# Altium PCB SNES TST Main.PcbDoc (part 1 of 3) (continued)
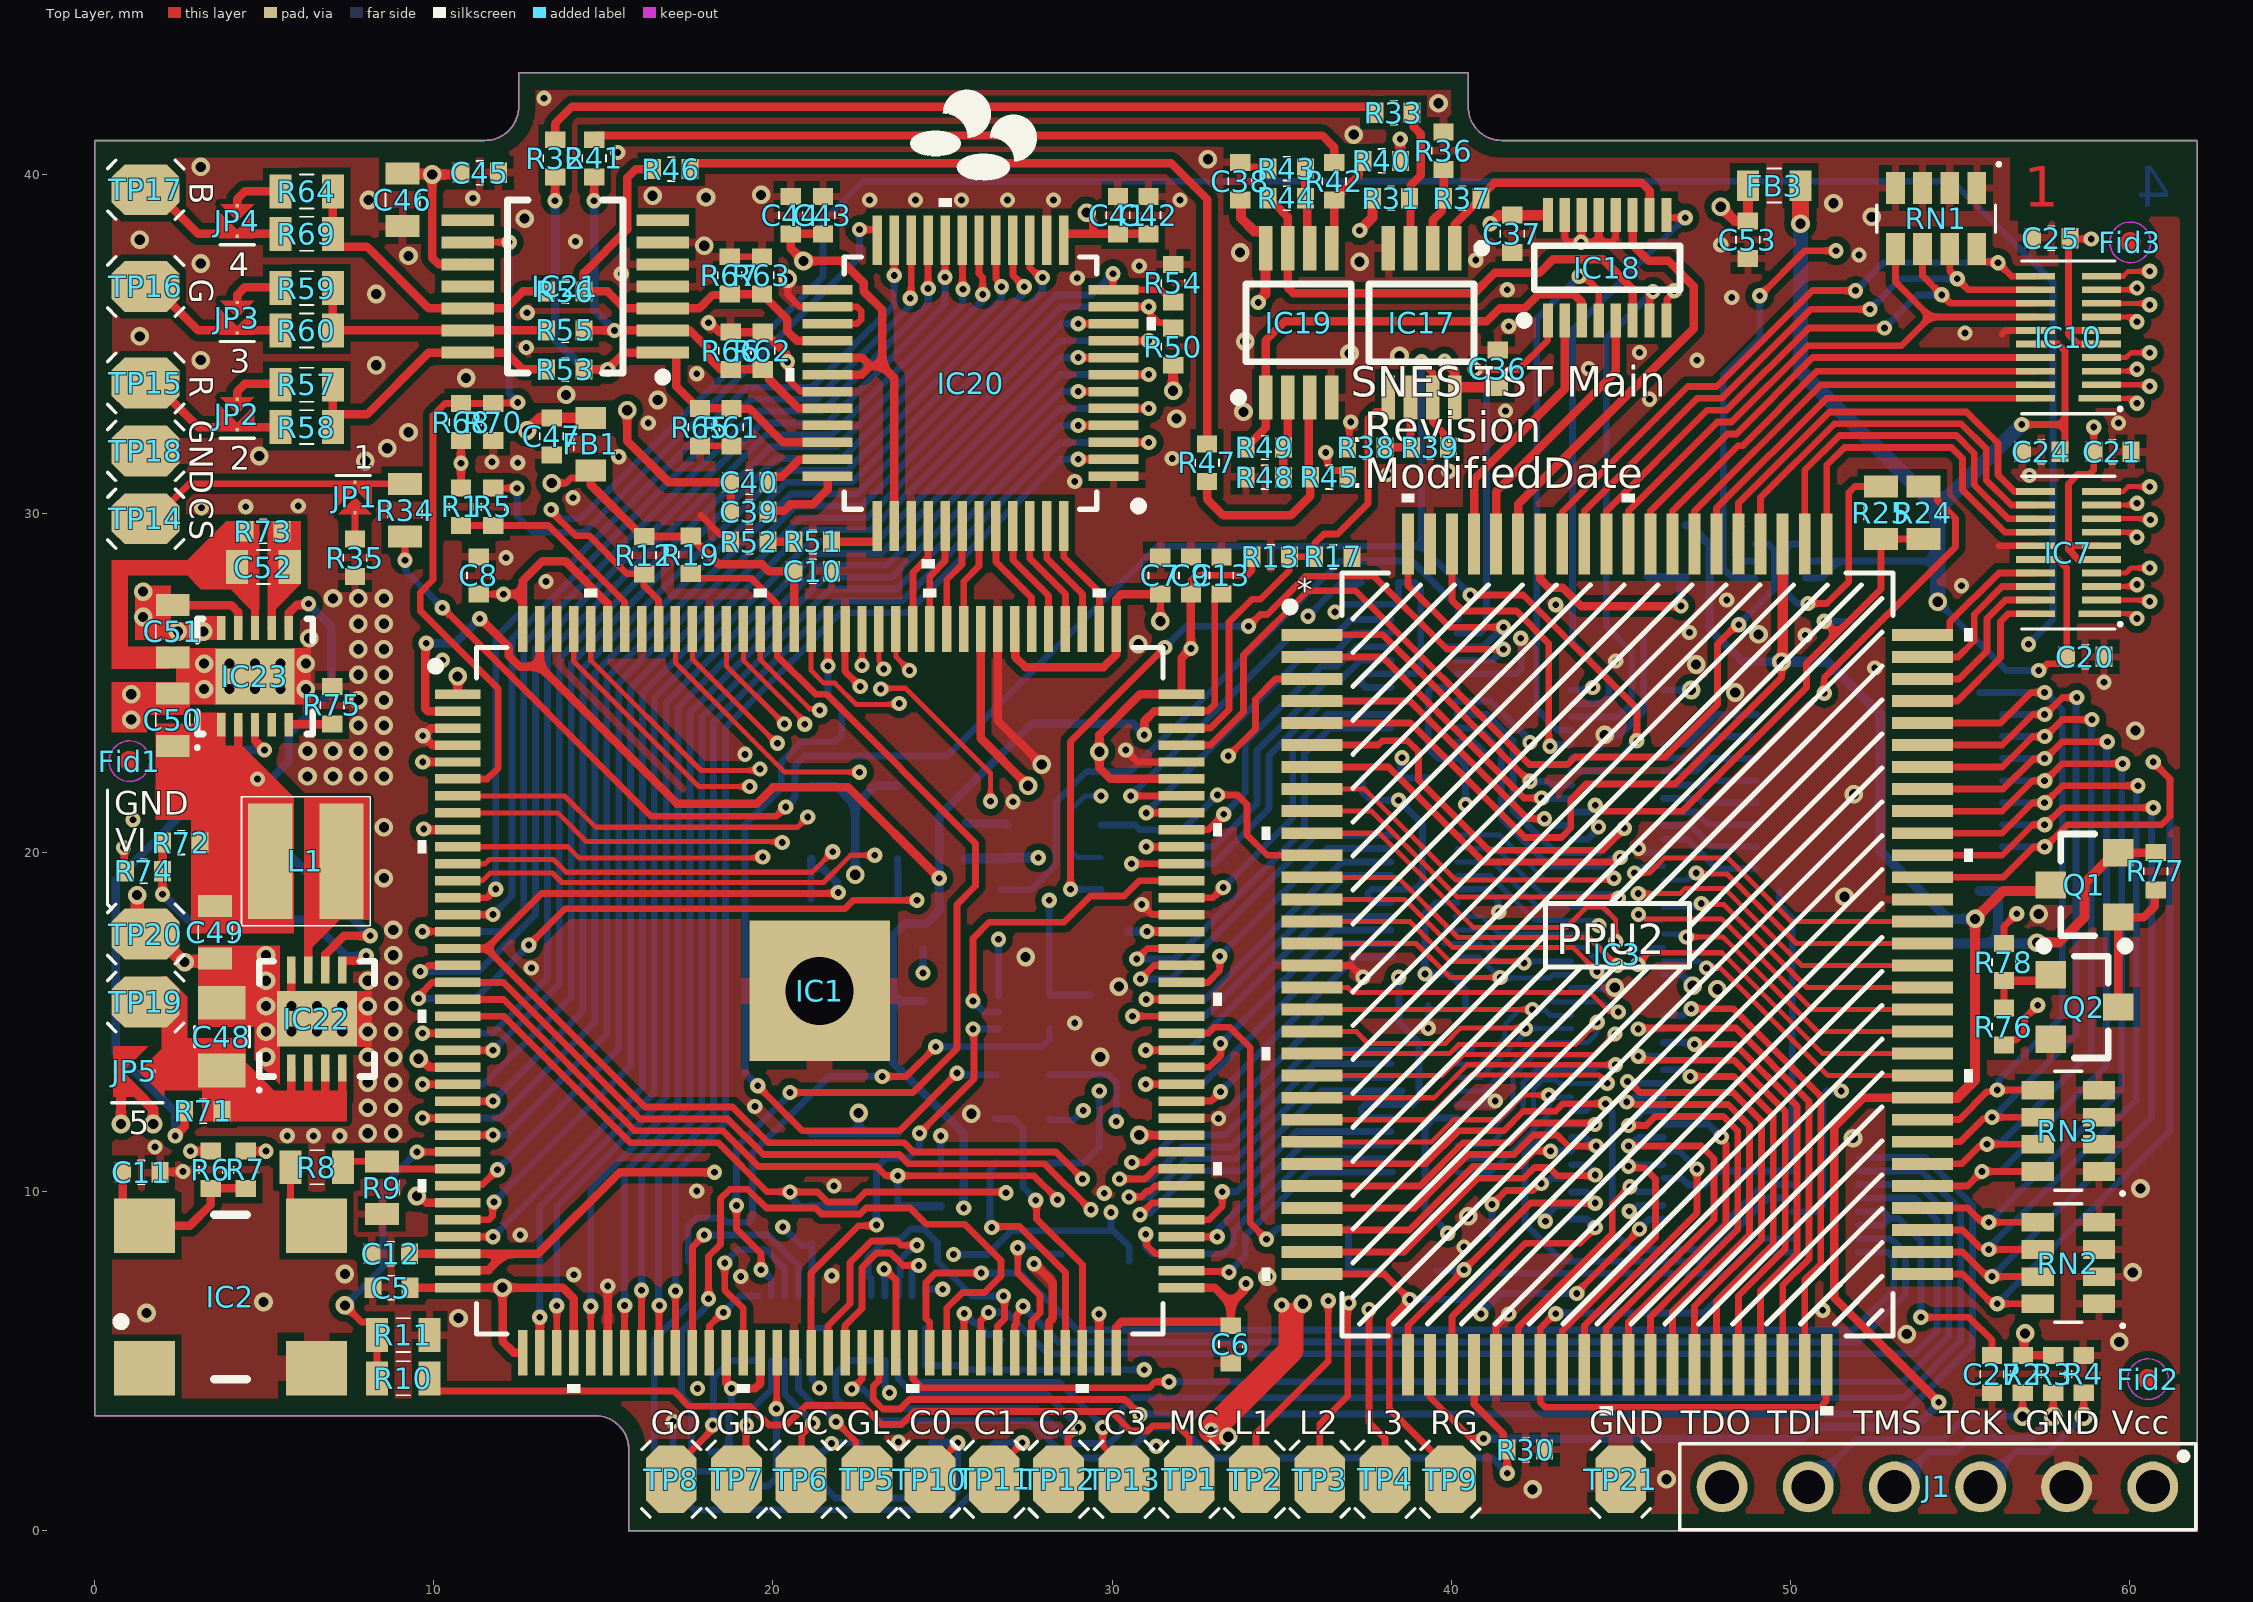
[diagram p0: Top Layer view]
## Components (designator, comment, footprint, x,y, rotation, side; value= is the part's Value field where it differs from the comment) (continued)
R37 "Resistor 604R 0402 ±1%" Res_0402_Chip 40.325,39.3 r0 top value=604R
R38 "Resistor 1.18k 0402 ±1%" Res_0402_Chip 37.5,31.95 r0 top value=1.18k
R39 "Resistor 604R 0402 ±1%" Res_0402_Chip 39.375,31.95 r180 top value=604R
R40 "Resistor 100k 0402 ±1%" Res_0402_Chip 37.95,40.4 r0 top value=100k
R41 "Resistor 0R 0402" Res_0402_Chip 14.725,40.475 r270 top value=0R
R42 "Resistor 1k 0402 ±1%" Res_0402_Chip 36.55,39.8 r90 top value=1k
R43 "Resistor 237R 0402 ±1%" Res_0402_Chip 35.15,40.175 r0 top value=237R
R44 "Resistor 604R 0402 ±1%" Res_0402_Chip 35.15,39.3 r0 top value=604R
R45 "Resistor 100k 0402 ±1%" Res_0402_Chip 36.4,31.075 r0 top value=100k
R46 "Resistor 0R 0402" Res_0402_Chip 17,40.16 r180 top value=0R
R47 "Resistor 1k 0402 ±1%" Res_0402_Chip 32.8,31.5 r90 top value=1k
R48 "Resistor 237R 0402 ±1%" Res_0402_Chip 34.5,31.075 r180 top value=237R
R49 "Resistor 604R 0402 ±1%" Res_0402_Chip 34.5,31.95 r180 top value=604R
R50 "Resistor 10k 0402 ±1%" Res_0402_Chip 31.8,34.925 r270 top value=10k
R51 "Resistor 470R 0402 ±1%" Res_0402_Chip 21.175,29.175 r180 top value=470R
R52 "Resistor 11R 0402 ±1%" Res_0402_Chip 19.3,29.175 r180 top value=11R
R53 "Resistor 0R 0402" Res_0402_Chip 13.875,34.25 r0 top value=0R
R54 "Resistor 10k 0402 ±1%" Res_0402_Chip 31.799,36.792 r270 top value=10k
R55 "Resistor 0R 0402" Res_0402_Chip 13.875,35.4 r0 top value=0R
R56 "Resistor 0R 0402" Res_0402_Chip 13.875,36.55 r0 top value=0R
R57 "Resistor 75R 0603 ±1%" Res_0603_Chip 6.25,33.8 r180 top value=75R
R58 "Resistor 75R 0603 ±1%" Res_0603_Chip 6.25,32.55 r180 top value=75R
R59 "Resistor 75R 0603 ±1%" Res_0603_Chip 6.25,36.65 r180 top value=75R
R60 "Resistor 75R 0603 ±1%" Res_0603_Chip 6.25,35.4 r180 top value=75R
R61 "Resistor 75R 0402 ±1%" Res_0402_Chip 18.775,32.55 r90 top value=75R
R62 "Resistor 75R 0402 ±1%" Res_0402_Chip 19.7,34.8 r270 top value=75R
R63 "Resistor 75R 0402 ±1%" Res_0402_Chip 19.675,37.025 r270 top value=75R
R64 "Resistor 75R 0603 ±1%" Res_0603_Chip 6.25,39.5 r180 top value=75R
R65 "Resistor 75R 0402 ±1%" Res_0402_Chip 17.85,32.55 r90 top value=75R
R66 "Resistor 75R 0402 ±1%" Res_0402_Chip 18.75,34.8 r270 top value=75R
R67 "Resistor 75R 0402 ±1%" Res_0402_Chip 18.725,37.025 r270 top value=75R
R68 "Resistor 10k 0402 ±1%" Res_0402_Chip 10.8,32.7 r90 top value=10k
R69 "Resistor 75R 0603 ±1%" Res_0603_Chip 6.25,38.25 r180 top value=75R
R70 "Resistor 10k 0402 ±1%" Res_0402_Chip 11.75,32.7 r270 top value=10k
R71 "Resistor 10k 0402 ±1%" Res_0402_Chip 3.2,12.375 r180 top value=10k
R72 "Resistor 249k 0402 ±1%" Res_0402_Chip 2.55,20.3 r180 top value=249k
R73 "Resistor 33.2k 0402 ±1%" Res_0402_Chip 4.975,29.475 r180 top value=33.2k
R74 "Resistor 66.5k 0402 ±1%" Res_0402_Chip 1.45,19.45 r180 top value=66.5k
R75 "Resistor 300R 0402 ±1%" Res_0402_Chip 7,24.35 r90 top value=300R
R76 "Resistor 33.2k 0402 ±1%" Res_0402_Chip 56.3,14.875 r270 top value=33.2k
R77 "Resistor 10k 0402 ±1%" Res_0402_Chip 60.775,19.45 r270 top value=10k
R78 "Resistor 1k 0402 ±1%" Res_0402_Chip 56.3,16.775 r270 top value=1k
RN1 "Resistor Network 51k 1206 ±1%" 1206_Array_Chip 54.3,38.7 r270 top value=51k
RN2 "Resistor Network 10k 1206 ±1%" 1206_Array_Chip 58.2,7.9 r180 top value=10k
RN3 "Resistor Network 10k 1206 ±1%" 1206_Array_Chip 58.2,11.8 r180 top value=10k
TP1 "Pin Connector" "Pin Connector Small" 32.275,1.525 r180 top
TP2 "Pin Connector" "Pin Connector Small" 34.2,1.525 r180 top
TP3 "Pin Connector" "Pin Connector Small" 36.125,1.525 r180 top
TP4 "Pin Connector" "Pin Connector Small" 38.05,1.525 r180 top
TP5 "Pin Connector" "Pin Connector Small" 22.775,1.525 r180 top
TP6 "Pin Connector" "Pin Connector Small" 20.825,1.525 r180 top
TP7 "Pin Connector" "Pin Connector Small" 18.925,1.525 r180 top
TP8 "Pin Connector" "Pin Connector Small" 17,1.525 r180 top
TP9 "Pin Connector" "Pin Connector Small" 39.975,1.525 r180 top
TP10 "Pin Connector" "Pin Connector Small" 24.625,1.525 r180 top
TP11 "Pin Connector" "Pin Connector Small" 26.525,1.525 r180 top
TP12 "Pin Connector" "Pin Connector Small" 28.425,1.525 r180 top
TP13 "Pin Connector" "Pin Connector Small" 30.35,1.525 r180 top
TP14 "Pin Connector" "Pin Connector Small" 1.5,29.85 r90 top
TP15 "Pin Connector" "Pin Connector Small" 1.5,33.85 r90 top
TP16 "Pin Connector" "Pin Connector Small" 1.5,36.7 r90 top
TP17 "Pin Connector" "Pin Connector Small" 1.5,39.55 r90 top
TP18 "Pin Connector" "Pin Connector Small" 1.5,31.85 r90 top
TP19 "Pin Connector" "Pin Connector Small" 1.5,15.6 r90 top
TP20 "Pin Connector" "Pin Connector Small" 1.5,17.6 r90 top
TP21 "Pin Connector" "Pin Connector Small" 45,1.525 r180 top

## Footprints (in the part's own frame and the unit in brackets; to place one, negate y for a bottom-side part, rotate by r counter-clockwise, add the part's x,y. Pads: shape width x height; smd on the part's side, far side on the other; paste and mask are expansions set on the pad)
1206_Array_Chip [mm] "Chip Array, Concave, 8-Leads, Pitch 0.80mm,  Body 3.20x1.60mm,  IPC Medium Density"
  rect 0.95x0.55 smd: 1(-0.9,1.2) 2(-0.9,0.4) 3(-0.9,-0.4) 4(-0.9,-1.2) 5(0.9,-1.2) 6(0.9,-0.4) 7(0.9,0.4) 8(0.9,1.2)
  silkscreen extent -1.65,-1.75 0.4,1.9, body extent -0.95,-1.7 0.95,1.7, height 0.6
Cap_0402_Chip [mm]
  rect 0.5x0.6 smd: 1(-0.55,0) 2(0.55,0)
  silkscreen extent -0.1,-0.35 0.1,0.35, body extent -0.52,-0.27 0.53,0.28, height 0.55
Cap_0603_Chip [mm]
  rect 0.65x1 smd: 1(-0.775,0) 2(0.775,0)
  silkscreen extent -0.2,-0.5 0.2,0.5, body extent -0.87,-0.48 0.87,0.48, height 0.95
Cap_0805_Chip [mm]
  rect 1x1.4 smd: 1(-1,0) 2(1,0)
  silkscreen extent -0.3,-0.8 0.3,0.8, body extent -1.1,-0.72 1.1,0.73, height 1.45
Con6P [mm]
  round 1.5 hole 1: 1(-6.35,0) 2(-3.81,0) 3(-1.27,0) 4(1.27,0) 5(3.81,0) 6(6.35,0)
  silkscreen extent -7.62,-1.27 7.6,1.27
DF40C-80DP [mm]
  rect 0.35x0.66 smd: 0(-8.275,-1.355) 0(-8.275,1.355) 0(8.275,-1.355) 0(8.275,1.355)
  rect 0.23x0.66 smd: 1(-7.8,-1.355) 2(-7.8,1.355) 3(-7.4,-1.355) 4(-7.4,1.355) 5(-7,-1.355) 6(-7,1.355) 7(-6.6,-1.355) 8(-6.6,1.355) 9(-6.2,-1.355) 10(-6.2,1.355) 11(-5.8,-1.355) 12(-5.8,1.355) 13(-5.4,-1.355) 14(-5.4,1.355) 15(-5,-1.355) 16(-5,1.355) 17(-4.6,-1.355) 18(-4.6,1.355) 19(-4.2,-1.355) 20(-4.2,1.355) 21(-3.8,-1.355) 22(-3.8,1.355) 23(-3.4,-1.355) 24(-3.4,1.355) 25(-3,-1.355) 26(-3,1.355) 27(-2.6,-1.355) 28(-2.6,1.355) 29(-2.2,-1.355) 30(-2.2,1.355) 31(-1.8,-1.355) 32(-1.8,1.355) 33(-1.4,-1.355) 34(-1.4,1.355) 35(-1,-1.355) 36(-1,1.355) 37(-0.6,-1.355) 38(-0.6,1.355) 39(-0.2,-1.355) 40(-0.2,1.355) 41(0.2,-1.355) 42(0.2,1.355) 43(0.6,-1.355) 44(0.6,1.355) 45(1,-1.355) 46(1,1.355) 47(1.4,-1.355) 48(1.4,1.355) 49(1.8,-1.355) 50(1.8,1.355) 51(2.2,-1.355) 52(2.2,1.355) 53(2.6,-1.355) 54(2.6,1.355) 55(3,-1.355) 56(3,1.355) 57(3.4,-1.355) 58(3.4,1.355) 59(3.8,-1.355) 60(3.8,1.355) 61(4.2,-1.355) 62(4.2,1.355) 63(4.6,-1.355) 64(4.6,1.355) 65(5,-1.355) 66(5,1.355) 67(5.4,-1.355) 68(5.4,1.355) 69(5.8,-1.355) 70(5.8,1.355) 71(6.2,-1.355) 72(6.2,1.355) 73(6.6,-1.355) 74(6.6,1.355) 75(7,-1.355) 76(7,1.355) 77(7.4,-1.355) 78(7.4,1.355) 79(7.8,-1.355) 80(7.8,1.355)
  silkscreen extent -9,-2.25 8.87,1.63, body extent -8.76,-1.47 8.76,1.5, height 1.09
DFN10 [mm] "SON, 10-Leads, Body 3,00x3,00mm, Pitch 0,50mm, Thermal Pad 2,33x1,49mm, IPC Medium Density"
  rect 0.7x0.25 smd: 1(-1.425,1) 2(-1.425,0.5) 3(-1.425,0) 4(-1.425,-0.5) 5(-1.425,-1) 6(1.425,-1) 7(1.425,-0.5) 8(1.425,0) 9(1.425,0.5) 10(1.425,1)
  rect 1.65x2.33 smd: 11(0,0)
  silkscreen extent -2.15,-1.7 1.7,1.75, body extent -1.55,-1.55 1.55,1.55, height 0.8
EQFP-144_A:1P65_ [mm]
  rect 1.353x0.279 smd: 1(-10.672,8.75) 2(-10.672,8.25) 3(-10.672,7.75) 4(-10.672,7.25) 5(-10.672,6.75) 6(-10.672,6.25) 7(-10.672,5.75) 8(-10.672,5.25) 9(-10.672,4.75) 10(-10.672,4.25) 11(-10.672,3.75) 12(-10.672,3.25) 13(-10.672,2.75) 14(-10.672,2.25) 15(-10.672,1.75) 16(-10.672,1.25) 17(-10.672,0.75) 18(-10.672,0.25) 19(-10.672,-0.25) 20(-10.672,-0.75) 21(-10.672,-1.25) 22(-10.672,-1.75) 23(-10.672,-2.25) 24(-10.672,-2.75) 25(-10.672,-3.25) 26(-10.672,-3.75) 27(-10.672,-4.25) 28(-10.672,-4.75) 29(-10.672,-5.25) 30(-10.672,-5.75) 31(-10.672,-6.25) 32(-10.672,-6.75) 33(-10.672,-7.25) 34(-10.672,-7.75) 35(-10.672,-8.25) 36(-10.672,-8.75) 73(10.672,-8.75) 74(10.672,-8.25) 75(10.672,-7.75) 76(10.672,-7.25) 77(10.672,-6.75) 78(10.672,-6.25) 79(10.672,-5.75) 80(10.672,-5.25) 81(10.672,-4.75) 82(10.672,-4.25) 83(10.672,-3.75) 84(10.672,-3.25) 85(10.672,-2.75) 86(10.672,-2.25) 87(10.672,-1.75) 88(10.672,-1.25) 89(10.672,-0.75) 90(10.672,-0.25) 91(10.672,0.25) 92(10.672,0.75) 93(10.672,1.25) 94(10.672,1.75) 95(10.672,2.25) 96(10.672,2.75) 97(10.672,3.25) 98(10.672,3.75) 99(10.672,4.25) 100(10.672,4.75) 101(10.672,5.25) 102(10.672,5.75) 103(10.672,6.25) 104(10.672,6.75) 105(10.672,7.25) 106(10.672,7.75) 107(10.672,8.25) 108(10.672,8.75)
  rect 0.279x1.353 smd: 37(-8.75,-10.672) 38(-8.25,-10.672) 39(-7.75,-10.672) 40(-7.25,-10.672) 41(-6.75,-10.672) 42(-6.25,-10.672) 43(-5.75,-10.672) 44(-5.25,-10.672) 45(-4.75,-10.672) 46(-4.25,-10.672) 47(-3.75,-10.672) 48(-3.25,-10.672) 49(-2.75,-10.672) 50(-2.25,-10.672) 51(-1.75,-10.672) 52(-1.25,-10.672) 53(-0.75,-10.672) 54(-0.25,-10.672) 55(0.25,-10.672) 56(0.75,-10.672) 57(1.25,-10.672) 58(1.75,-10.672) 59(2.25,-10.672) 60(2.75,-10.672) 61(3.25,-10.672) 62(3.75,-10.672) 63(4.25,-10.672) 64(4.75,-10.672) 65(5.25,-10.672) 66(5.75,-10.672) 67(6.25,-10.672) 68(6.75,-10.672) 69(7.25,-10.672) 70(7.75,-10.672) 71(8.25,-10.672) 72(8.75,-10.672) 109(8.75,10.672) 110(8.25,10.672) 111(7.75,10.672) 112(7.25,10.672) 113(6.75,10.672) 114(6.25,10.672) 115(5.75,10.672) 116(5.25,10.672) 117(4.75,10.672) 118(4.25,10.672) 119(3.75,10.672) 120(3.25,10.672) 121(2.75,10.672) 122(2.25,10.672) 123(1.75,10.672) 124(1.25,10.672) 125(0.75,10.672) 126(0.25,10.672) 127(-0.25,10.672) 128(-0.75,10.672) 129(-1.25,10.672) 130(-1.75,10.672) 131(-2.25,10.672) 132(-2.75,10.672) 133(-3.25,10.672) 134(-3.75,10.672) 135(-4.25,10.672) 136(-4.75,10.672) 137(-5.25,10.672) 138(-5.75,10.672) 139(-6.25,10.672) 140(-6.75,10.672) 141(-7.25,10.672) 142(-7.75,10.672) 143(-8.25,10.672) 144(-8.75,10.672)
  rect 4.14x4.14 smd: EPAD(0,0)
  round 3 hole 2: EPAD(0,0)
  silkscreen extent -11.86,-11.86 11.86,11.86, body extent -11,-11 11,11, height 1.65
Fiducial_1_side [mm]
  Top Layer circle w0.3: c0,0 r0.15
  Top Layer keep-out circle w0.05: c0,0 r0.6
Ind_0603_Chip [mm]
  rect 0.65x0.9 smd: 1(-0.775,0) 2(0.775,0)
  silkscreen extent -0.2,-0.5 0.2,0.5, body extent -0.87,-0.47 0.88,0.48, height 0.95
Jumper [mm]
  rect 0.1x0.1 smd paste-10: 1(0,0.45) 2(0,-0.45)
  Top Layer region: -0.5,-0.25 -0.5,0.5 0.5,0.5 0.5,-0.25 0,0.25
  Top Layer region: -0.5,-0.5 0.5,-0.5 0,0
"Jumper Big" [mm]
  rect 0.1x0.1 smd paste-10: 1(0,0.7) 2(0,-0.45)
  Top Layer region: -0.75,-0.75 0.75,-0.75 0,0
  Top Layer region: -0.75,-0.275 -0.75,0.75 0.75,0.75 0.75,-0.275 0,0.475
LFCSP8 [mm] "SON, 8-Leads, Body 3,00x3,00mm, Pitch 0,50mm, Thermal Pad 2,36x1,49mm, IPC Medium Density"
  rect 0.8x0.25 smd: 1(-1.445,0.75) 2(-1.445,0.25) 3(-1.445,-0.25) 4(-1.445,-0.75) 5(1.445,-0.75) 6(1.445,-0.25) 7(1.445,0.25) 8(1.445,0.75)
  rect 1.64x2.36 smd: 9(0,0)
  silkscreen extent -2.15,-1.7 1.7,1.75, body extent -1.57,-1.55 1.57,1.55, height 0.8
MSOP8 [mm] "TSOP, 8-Leads, Body 3.00x3.00mm, Pitch 0.65mm, IPC Medium Density"
  rect 1.3x0.4 smd: 1(-2.2,0.975) 2(-2.2,0.325) 3(-2.2,-0.325) 4(-2.2,-0.975) 5(2.2,-0.975) 6(2.2,-0.325) 7(2.2,0.325) 8(2.2,0.975)
  silkscreen extent -2.32,-1.55 1.15,1.9, body extent -2.44,-1.55 2.44,1.55, height 1.07
"Pin Connector Small" [mm]
  oct 1.5x2 smd paste-1: 1(0,0)
  silkscreen extent -0.87,-1.12 0.87,1.12
PPU100Pin [mm] "QFP, 100-Leads, Body 14,00x20,00mm, Pitch 0,65mm, IPC Medium Density"
  rect 1.8x0.35 smd paste-1: 1(-9,9.425) 2(-9,8.775) 3(-9,8.125) 4(-9,7.475) 5(-9,6.825) 6(-9,6.175) 7(-9,5.525) 8(-9,4.875) 9(-9,4.225) 10(-9,3.575) 11(-9,2.925) 12(-9,2.275) 13(-9,1.625) 14(-9,0.975) 15(-9,0.325) 16(-9,-0.325) 17(-9,-0.975) 18(-9,-1.625) 19(-9,-2.275) 20(-9,-2.925) 21(-9,-3.575) 22(-9,-4.225) 23(-9,-4.875) 24(-9,-5.525) 25(-9,-6.175) 26(-9,-6.825) 27(-9,-7.475) 28(-9,-8.125) 29(-9,-8.775) 30(-9,-9.425) 51(9,-9.425) 52(9,-8.775) 53(9,-8.125) 54(9,-7.475) 55(9,-6.825) 56(9,-6.175) 57(9,-5.525) 58(9,-4.875) 59(9,-4.225) 60(9,-3.575) 61(9,-2.925) 62(9,-2.275) 63(9,-1.625) 64(9,-0.975) 65(9,-0.325) 66(9,0.325) 67(9,0.975) 68(9,1.625) 69(9,2.275) 70(9,2.925) 71(9,3.575) 72(9,4.225) 73(9,4.875) 74(9,5.525) 75(9,6.175) 76(9,6.825) 77(9,7.475) 78(9,8.125) 79(9,8.775) 80(9,9.425)
  rect 0.35x1.8 smd paste-1: 31(-6.175,-12.1) 32(-5.525,-12.1) 33(-4.875,-12.1) 34(-4.225,-12.1) 35(-3.575,-12.1) 36(-2.925,-12.1) 37(-2.275,-12.1) 38(-1.625,-12.1) 39(-0.975,-12.1) 40(-0.325,-12.1) 41(0.325,-12.1) 42(0.975,-12.1) 43(1.625,-12.1) 44(2.275,-12.1) 45(2.925,-12.1) 46(3.575,-12.1) 47(4.225,-12.1) 48(4.875,-12.1) 49(5.525,-12.1) 50(6.175,-12.1) 81(6.175,12.1) 82(5.525,12.1) 83(4.875,12.1) 84(4.225,12.1) 85(3.575,12.1) 86(2.925,12.1) 87(2.275,12.1) 88(1.625,12.1) 89(0.975,12.1) 90(0.325,12.1) 91(-0.325,12.1) 92(-0.975,12.1) 93(-1.625,12.1) 94(-2.275,12.1) 95(-2.925,12.1) 96(-3.575,12.1) 97(-4.225,12.1) 98(-4.875,12.1) 99(-5.525,12.1) 100(-6.175,12.1)
  silkscreen extent -10.48,-13.58 10.48,13.58, body extent -9.48,-12.47 9.48,12.47, height 2.82
"Quarz 7.5mm" [mm]
  rect 1.8x1.6 smd: 1(-2.54,-2.1) 2(2.54,-2.1) 3(2.54,2.1) 4(-2.54,2.1)
  silkscreen extent -3.35,-2.42 0.48,2.42, body extent -3.5,-2.51 3.5,2.51, height 1.52
Res_0402_Chip [mm]
  rect 0.5x0.6 smd: 1(-0.55,0) 2(0.55,0)
  silkscreen extent -0.1,-0.35 0.1,0.35, body extent -0.52,-0.27 0.53,0.28, height 0.3
Res_0603_Chip [mm]
  rect 0.65x1 smd: 1(-0.775,0) 2(0.775,0)
  silkscreen extent -0.2,-0.5 0.2,0.5, body extent -0.82,-0.47 0.83,0.48, height 0.45
SOD323 [mm] "SODFL, 2-Leads, Body 1.25x2.50mm, IPC Medium Density"
  rect 0.95x0.45 smd: 1(-1.075,0) 2(1.075,0)
  silkscreen extent -1.5,-0.7 0.9,0.7, body extent -1.25,-0.67 1.25,0.67, height 1
SON20 [mm] "SON, 20-Leads, Body 4,00x2,00mm, Pitch 0,40mm, IPC Medium Density"
  rect 1.25x0.2 smd: 1(-0.925,1.8)
  rect 1.15x0.2 smd: 2(-0.975,1.4) 3(-0.975,1) 4(-0.975,0.6) 5(-0.975,0.2) 6(-0.975,-0.2) 7(-0.975,-0.6) 8(-0.975,-1) 9(-0.975,-1.4) 10(-0.975,-1.8) 11(0.975,-1.8) 12(0.975,-1.4) 13(0.975,-1) 14(0.975,-0.6) 15(0.975,-0.2) 16(0.975,0.2) 17(0.975,0.6) 18(0.975,1) 19(0.975,1.4) 20(0.975,1.8)
  silkscreen extent -1.58,-2.25 1.38,2.25, body extent -1.07,-2.02 1.07,2.02, height 0.55
SOT23-6 [mm] "SOT23, 5-Leads, Body 2,90x2,80mm, Pitch 0,95mm, IPC Medium Density"
  rect 1x0.6 smd: 1(-1.375,0.95) 2(-1.375,0) 3(-1.375,-0.95) 4(1.375,-0.95) 5(1.375,0) 6(1.375,0.95)
  silkscreen extent -1.5,-1.55 0.5,1.92, body extent -1.3,-1.4 1.3,1.4, height 1.45
SOT23_FET [mm] "SOT23, 3-Leads, Body 2,90x2,45mm, Pitch 0,95mm, IPC Medium Density"
  rect 0.9x0.8 smd: D(1,0) G(-1,0.95) S(-1,-0.95)
  silkscreen extent -1.33,-1.5 0.7,1.92, body extent -1.3,-1.5 1.3,1.5, height 1.1
SOT23_Transistor [mm] "SOT23, 3-Leads, Body 2,90x2,45mm, Pitch 0,95mm, IPC Medium Density"
  rect 0.9x0.8 smd: B(-1,0.95) C(1,0) E(-1,-0.95)
  silkscreen extent -1.32,-1.5 0.7,1.92, body extent -1.3,-1.5 1.3,1.5, height 1.1
SOT-5X3 [mm] "SOTFL, 6-Leads, Body 1,60x1,60mm, Pitch 0,50mm, IPC Medium Density"
  rect 0.65x0.33 smd: 1(-0.75,0.5) 2(-0.75,0) 3(-0.75,-0.5) 4(0.75,-0.5) 5(0.75,0) 6(0.75,0.5)
  silkscreen extent -0.87,-0.85 0.05,1.35, body extent -0.8,-0.85 0.8,0.85, height 0.6
SOT-23THIN16 [mm] "TSSOP, 16-Leads, Body 4.20x2.00mm, Pitch 0.50mm, IPC Medium Density"
  rect 1x0.3 smd: 1(-1.55,1.75) 2(-1.55,1.25) 3(-1.55,0.75) 4(-1.55,0.25) 5(-1.55,-0.25) 6(-1.55,-0.75) 7(-1.55,-1.25) 8(-1.55,-1.75) 9(1.55,-1.75) 10(1.55,-1.25) 11(1.55,-0.75) 12(1.55,-0.25) 13(1.55,0.25) 14(1.55,0.75) 15(1.55,1.25) 16(1.55,1.75)
  silkscreen extent -1.67,-2.15 0.65,2.57, body extent -1.63,-2.15 1.63,2.15, height 1.1
ST_48_ADI [mil]
  rect 57.56x11 smd: 1(-166,108.27) 2(-166,88.58) 3(-166,68.9) 4(-166,49.21) 5(-166,29.53) 6(-166,9.84) 7(-166,-9.84) 8(-166,-29.53) 9(-166,-49.21) 10(-166,-68.9) 11(-166,-88.58) 12(-166,-108.27) 25(166,-108.27) 26(166,-88.58) 27(166,-68.9) 28(166,-49.21) 29(166,-29.53) 30(166,-9.84) 31(166,9.84) 32(166,29.53) 33(166,49.21) 34(166,68.9) 35(166,88.58) 36(166,108.27)
  rect 11x57.56 smd: 13(-108.27,-166) 14(-88.58,-166) 15(-68.9,-166) 16(-49.21,-166) 17(-29.53,-166) 18(-9.84,-166) 19(9.84,-166) 20(29.53,-166) 21(49.21,-166) 22(68.9,-166) 23(88.58,-166) 24(108.27,-166) 37(108.27,166) 38(88.58,166) 39(68.9,166) 40(49.21,166) 41(29.53,166) 42(9.84,166) 43(-9.84,166) 44(-29.53,166) 45(-49.21,166) 46(-68.9,166) 47(-88.58,166) 48(-108.27,166)
  silkscreen extent -215,-215 215,215, body extent -181,-181 181,181, height 63
TSSOP14 [mm]
  rect 1.55x0.35 smd: 1(-2.875,1.95) 2(-2.875,1.3) 3(-2.875,0.65) 4(-2.875,0) 5(-2.875,-0.65) 6(-2.875,-1.3) 7(-2.875,-1.95) 8(2.875,-1.95) 9(2.875,-1.3) 10(2.875,-0.65) 11(2.875,0) 12(2.875,0.65) 13(2.875,1.3) 14(2.875,1.95)
  silkscreen extent -3,-2.55 1.7,2.8, body extent -3.2,-2.55 3.2,2.55, height 1.2
"TSSOP20 Narrow" [mm] "TSOP, 20-Leads, Body 6,50x4,40mm, Pitch 0,65mm, IPC Medium Density"
  rect 1.4x0.4 smd: 1(-2.95,2.925) 2(-2.95,2.275) 3(-2.95,1.625) 4(-2.95,0.975) 5(-2.95,0.325) 6(-2.95,-0.325) 7(-2.95,-0.975) 8(-2.95,-1.625) 9(-2.95,-2.275) 10(-2.95,-2.925) 11(2.95,-2.925) 12(2.95,-2.275) 13(2.95,-1.625) 14(2.95,-0.975) 15(2.95,-0.325) 16(2.95,0.325) 17(2.95,0.975) 18(2.95,1.625) 19(2.95,2.275) 20(2.95,2.925)
  silkscreen extent -3.07,-3.3 1.85,3.82, body extent -3.2,-3.3 3.2,3.3, height 1.2
UQFN12 [mm] "QFN, 12-Leads, Body 2.00x1.70mm, Pitch 0.40mm, IPC Medium Density"
  rect 0.8x0.2 smd: 1(-0.95,0.8) 2(-0.95,0.4) 3(-0.95,0) 4(-0.95,-0.4) 5(-0.95,-0.8) 7(0.95,-0.8) 8(0.95,-0.4) 9(0.95,0) 10(0.95,0.4) 11(0.95,0.8)
  rect 0.2x0.8 smd: 6(0,-0.8) 12(0,0.8)
  silkscreen extent -1.4,-1.4 1.15,1.4, body extent -1.1,-0.95 1.1,0.95, height 0.55
WE-MAPI_3020 [mm] "SMT Shielded Power Inductor, body 3x3mm"
  rect 1.3x3.4 smd: 1(-1.05,0) 2(1.05,0)
  silkscreen extent -1.9,-1.9 1.9,1.9, body extent -1.5,-1.5 1.5,1.5, height 2

## Part data
C1 C2 C3 C4 C5 C6 C7 C8 C9 C10 C11 C12 C13 C14 C15 C16 C17 C18 C19 C20 C21 C22 C23 C24 C25 C26 C27 C28 C29 C30 C31 C32 C33 C34 C35 C36 C37 C38 C39 C40 C41 C42 C43 C44 C45 C46 C47 C53 C54: library part Capacitor, Dielectric=X7R, NominalVoltage=10V, Tolerance=±20%, PartType="Ceramic Capacitor"
  C1 C2 C3 C4 C5 C6 C7 C8 C9 C10 C11 C12 C13 C14 C15 C16 C17 C18 C19 C20 C21 C22 C23 C24 C25 C26 C27 C28 C29 C30 C31 C32 C33 C34 C35 C36 C37 C38 C39 C40 C41 C42 C43 C44 C45 C47 C53 C54: ChipSize=0402
  C46: ChipSize=0603
C48: library part Capacitor, Dielectric=X5R, NominalVoltage=25V, Tolerance=±20%, ChipSize=0805, PartType="Ceramic Capacitor"
C49 C50 C51 C52: library part Capacitor, Dielectric=X5R, NominalVoltage=10V, Tolerance=±20%, ChipSize=0603, PartType="Ceramic Capacitor"
D1 D2 D3 D4: library part "Schottky Diode", "Schottky Diode", Manufacturer=Diodes, Manufacturer_Part_Number=BAT54WS-7-F
FB1 FB2 FB3 FB4: library part "Ferrite Bead", Manufacturer=TDK, Manufacturer_Part_Number=MMZ1005S102CT000
IC1: library part 10M08SAE144C8G, "No Description Available", Manufacturer=Intel, Built_By=EMA_Cory, Copyright="Copyright (C) 2018 Accelerated Designs. All rights reserved", Manufacturer_Part_Number=10M04SAE144C8G, RefDes=RefDes, SourceLibrary=Intel_2020-01-10, Type=DEV
IC2: library part Oscillator, "Oscillator", Manufacturer="IQD Frequency", Manufacturer_Part_Number=LFSPXO020648Bulk, Frequency="17.734475 MHz"
IC3: library part PPU2100Pin, "PPU2", Manufacturer=Nintendo, Manufacturer_Part_Number=PPU2
IC4: "2:1 MUX", Manufacturer="Texas Instruments", Manufacturer_Part_Number=TMUX1219DBVR
IC5: Manufacturer="Texas Instruments", Manufacturer_Part_Number=SN74HCT541PW
IC6 IC7 IC8 IC9 IC10 IC11: "8-bit level shifter", Manufacturer="Texas Instruments", Manufacturer_Part_Number=TXB0108DQSR
IC12 IC15: "4-bit level shifter", Manufacturer="Texas Instruments", Manufacturer_Part_Number=TXU0304RUTR
IC13 IC14 IC16: "1-bit Transceiver", Manufacturer="Texas Instruments", Manufacturer_Part_Number=SN74LVC1T45DRLR
IC17 IC19: Manufacturer="Texas Instruments", Manufacturer_Part_Number=OPA2356AIDGKT
IC18: "SPDT 4 Ch", Manufacturer="Texas Instruments", Manufacturer_Part_Number=TMUX1574DYYR
IC20: library part ADV7123KSTZ140, "10Bit Video DAC", Manufacturer="Analog Devices Inc", Manufacturer_Part_Number=ADV7123KSTZ50, Built_By=EMA_UL_Team, Copyright="Copyright (C) 2018 Accelerated Designs. All rights reserved", RefDes=RefDes, SourceLibrary=Analog_2012-01-01_8, Type=DEV
IC21: Manufacturer="Texas Instruments", Manufacturer_Part_Number=THS7374IPW
IC22: "SMPS", Manufacturer="Analog Devices Inc", Manufacturer_Part_Number=ADP2370ACPZ-R7
IC23: "LDO", Manufacturer="Analog Devices Inc", Manufacturer_Part_Number=LT3045EDD#PBF
J1: "6 Pole Connector"
J2: library part "Conn 80P", "80Pole Connector", Manufacturer="Hirose Connector", Manufacturer_Part_Number=DF40C-80DP-0.4V(51)
L1: library part L, Manufacturer=Würth, Manufacturer_Part_Number=74438336068
Q1: library part Mosfet1, Manufacturer=Diodes, Manufacturer_Part_Number=IRLML6402
Q2: library part T_NPN, Manufacturer=Diodes, Manufacturer_Part_Number=MMBT3904
R1 R2 R3 R4 R5 R8 R9 R10 R11 R12 R13 R14 R15 R17 R18 R19 R20 R21 R22 R23 R24 R25 R26 R27 R28 R29 R30 R31 R33 R34 R35 R36 R37 R38 R39 R40 R42 R43 R44 R45 R47 R48 R49 R50 R51 R52 R54 R57 R58 R59 R60 R61 R62 R63 R64 R65 R66 R67 R68 R69 R70 R71 R72 R73 R74 R75 R76 R77 R78: library part R, Tolerance=±1%, PartType=Resistor
  R1 R2 R3 R4 R5 R12 R13 R14 R17 R19 R20 R27 R28 R29 R30 R31 R33 R35 R36 R37 R38 R39 R40 R42 R43 R44 R45 R47 R48 R49 R50 R51 R52 R54 R61 R62 R63 R65 R66 R67 R68 R70 R71 R72 R73 R74 R75 R76 R77 R78: ChipSize=0402
  R8 R9 R10 R11 R15 R18 R21 R22 R23 R24 R25 R26 R34 R57 R58 R59 R60 R64 R69: ChipSize=0603
R6 R7 R16 R32 R41 R46 R53 R55 R56: library part R, PartType=Resistor
  R6 R7 R32 R41 R46 R53 R55 R56: ChipSize=0402
  R16: ChipSize=0603
RN1 RN2 RN3: library part RNetwork, Tolerance=±1%, ChipSize=1206, PartType="Resistor Network"

## Via types
v1: diameter 0.45, hole 0.2, Top Layer to Bottom Layer, tented both sides, 443 vias
v2: diameter 0.55, hole 0.3, Top Layer to Bottom Layer, tented both sides, 166 vias

## Nets (pads, with @x,y where several pads share a name; then routed paths per layer and width w, separated by ;. In a path a pad name is that pad's centre, name@x,y a point inside that pad or via, vN(x,y) a via of type N, cw(c..) or ccw(c..) an arc to the next point about the centre after c; other vN are vias at no path point)
3.3V: C5.1 C6.1 C7.1 C8.1 C9.1 C10.1 C14.1 C15.1 C19.1 C21.1 C23.1 C25.1 C27.1 C29.1 C31.1 C33.1 C35.1 C51.2 D1.1 D2.1 D3.1 D4.1 FB1.1 FB2.1 IC1.1 IC1.5 IC1.9 IC1.23 IC1.31 IC1.36 IC1.37 IC1.40 IC1.49 IC1.51 IC1.67 IC1.72 IC1.73 IC1.82 IC1.94 IC1.103 IC1.108 IC1.109 IC1.115 IC1.117 IC1.128 IC1.139 IC1.144 IC6.5 IC6.6 IC7.5 IC7.6 IC8.5 IC8.6 IC9.5 IC9.6 IC10.5 IC10.6 IC11.5 IC11.6 IC12.11 IC13.1 IC14.6 IC15.11 IC16.6 IC23.9 IC23.10 J1.1 R1.1 R2.1 R3.1 R7.1 R12.1 R13.1 R19.1 R50.2 R68.1 R76.2 | length 155.6
  Top Layer w0.2: C8.1@11.325,27.625 v1(12.05,27.625) ; v2(13.475,30.9) 13.9,30.9 14.05,31.05 14.4,31.05 FB1.1@14.625,31.275 ; v1(27.22,8.352) 27.22,7.592 27.875,6.937 27.875,6.428 27.625,6.178 IC1.67@27.625,5.253 ; v2(31.425,26.825) C7.1@31.425,27.625 ; C9.1@32.325,27.625 32.325,28.025 32.48,28.18 33.98,28.18 34.125,28.325 R13.1@34.125,28.725 ; v1(49.1,36.425) 50.425,37.75 v1(51.35,37.75) ; v1(53.85,6.3) 55.275,6.3 55.95,5.625 C27.1@55.95,5.175 ; R76.2@56.3,14.325 56.45,14.475 56.65,14.475 56.908,14.733 56.908,15.108 v1(57.3,15.5) ; v1(58.875,38.1) 58.281,38.1 58.256,38.125 58.2,38.069 58.2,35.287 ; v1(58.95,32.55) C21.1@58.95,31.825 58.95,31.3 58.8,31.15 58.475,31.15 58.2,30.875 58.2,28.937 ; IC7.5@59.175,28.65 58.487,28.65 58.2,28.937 ; IC7.6@59.175,29.05 58.313,29.05 58.2,28.937 ; IC10.5@59.175,35 58.487,35 58.2,35.287 ; IC10.6@59.175,35.4 58.313,35.4 58.2,35.287
  Top Layer w0.25: v2(1.425,26.95) 1.475,27 C51.2@1.825,27 ; v2(1.425,27.7) 1.482,27.643 1.782,27.643 ; C51.2@2.6,27.3 4.025,27.3 4.225,27.1 IC23.9@4.225,26.625 ; R7.1@4.45,11.2 v1(5.05,11.2) ; C5.1@9.3,7.175 IC1.36@10.703,7.175 v2(12.025,7.175) 12.025,5.589 12.36,5.253 IC1.37@12.625,5.253 ; v2(9.5,9.875) 9.581,9.875 9.781,9.675 IC1.31@10.703,9.675 ; v2(9.55,13.925) 9.616,13.925 9.866,13.675 IC1.23@10.703,13.675 ; v1@9.65,20.7 9.675,20.675 IC1.9@10.703,20.675 ; v1(9.675,22.675) IC1.5@10.703,22.675 ; v2(10.7,25.2) 10.7,24.69 IC1.1@10.93,24.69 ; R1.1@10.8,30.75 v1(10.8,31.487) R68.1@10.8,32.15 ; v2@12.037,7.175 13.8,7.175 14.125,6.85 IC1.40@14.125,5.253 ; v1(12.05,27.625) 12.625,27.625 ; IC1.144@12.625,26.597 12.625,27.625 ; FB1.1@14.625,31.275 14.625,30.85 16.15,29.325 R12.1@16.2,29.325 R12.1@16.225,29.325 ; IC1.139@15.125,26.597 15.125,27.35 13.875,28.6 13.2,28.6 12.625,28.025 12.625,27.625 ; R12.1@16.275,29.325 17.633,29.325 17.747,29.211 17.747,29.153 18.4,28.5 19.68,28.5 19.88,28.3 20.5,28.3 20.55,28.35 C10.1@20.625,28.35 ; IC1.49@18.625,5.253 18.625,4.35 v1(18.775,4.2) 19.475,4.2 19.625,4.35 IC1.51@19.625,5.253 ; IC1.128@20.625,26.597 C10.1@20.625,28.3 ; IC1.117@26.125,26.597 26.125,23.375 v2(27.525,21.975) ; IC1.115@27.125,26.597 27.14,26.582 27.14,25.777 27.441,25.475 29.75,25.475 30.125,25.85 IC1.109@30.125,26.597 30.125,27.479 30.271,27.625 C7.1@31.375,27.625 ; IC1.72@30.125,5.253 30.125,6.014 30.286,6.175 33.179,6.175 33.375,6.175 C6.1@33.5,6.05 33.5,6.7 ; v2(30.8,11.675) IC1.82@32.047,11.675 ; v1(31.031,17.675) IC1.94@32.047,17.675 ; IC1.73@32.047,7.175 33.025,7.175 33.5,6.7 ; IC1.103@32.047,22.175 29.95,22.175 29.625,22.5 v2(29.625,22.975) 29.625,23.475 30.825,24.675 IC1.108@32.047,24.675 32.047,25.747 v1(32.325,26.025) C9.1@32.325,27.625 ; v1(33.95,7.3) 33.912,7.262 33.912,7.112 33.5,6.7 ; v2(56.925,5.825) 56.888,5.788 56.888,5.213 56.925,5.175 R3.1@57.75,5.175
  Top Layer w0.3: v2(31.8,33.625) R50.2@31.8,34.375
  Bottom Layer w0.2: C35.1@18.15,2.325 18.55,2.325 18.7,2.475 ; v1(18.775,4.2) 18.775,3.6 18.7,3.525 18.7,2.475 ; IC16.6@19.336,2.325 18.85,2.325 18.7,2.475 ; v1(20.286,8.961) 20.822,8.425 C33.1@21.15,8.425 ; IC12.11@21.15,6.925 C33.1@21.15,8.425 ; C33.1@21.15,8.475 C33.1@21.15,8.425 ; v1(24.425,16.45) FB2.1@24.425,17.175 ; IC15.11@24.5,6.925 24.5,7.124 v1(25.007,7.124) ; IC14.6@26.65,15.765 C31.1@26.65,16.725 v1(26.65,17.45) ; v1(27.22,8.352) 27.268,8.399 27.445,8.399 27.448,8.402 27.841,8.402 28.067,8.176 28.474,8.176 C15.1@28.5,8.15 ; v1(36.575,27.1) 36.585,27.1 36.81,27.325 38.333,27.325 38.45,27.442 C23.1@38.45,27.975 38.925,27.975 39.1,27.8 39.1,25.45 38.925,25.275 IC8.6@38.225,25.275 37.475,25.275 37.358,25.158 37.358,24.992 37.475,24.875 IC8.5@38.225,24.875 ; C29.1@37.375,22.225 37.375,21.8 37.625,21.55 v1(38.45,21.55) 39.15,20.85 39.15,19.125 38.95,18.925 IC9.6@38.225,18.925 37.665,18.925 37.548,18.808 37.548,18.642 37.665,18.525 IC9.5@38.225,18.525 ; IC6.5@38.225,12.175 37.475,12.175 37.358,12.292 37.358,12.458 37.475,12.575 IC6.6@38.225,12.575 38.854,12.575 39.05,12.771 39.05,14.4 38.475,14.975 C19.1@38.475,15.425 ; v1(38.45,16.325) 38.462,16.312 38.462,15.462 38.45,15.45 C19.1@38.475,15.425 ; C19.1@38.475,15.525 C19.1@38.475,15.425 ; C19.1@38.5,15.4 C19.1@38.475,15.425 ; IC13.1@48.95,28.1 48.306,28.1 48.025,28.381 48.025,34.1 49.1,35.175 v1(49.1,36.425) ; IC11.6@52.007,9.015 52.733,9.015 52.85,9.132 52.85,9.215 ; IC11.5@52.007,9.415 52.733,9.415 52.85,9.298 52.85,9.215 ; v1(53.85,6.3) 53.85,8.55 53.185,9.215 52.85,9.215
  Bottom Layer w0.25: D1.1@21.125,11.725 22.525,11.725 ; D3.1@21.125,21.975 21.125,21.956 21.869,21.956 22.425,21.4 ; v2(22.425,19.35) 22.425,21.4 ; v2(22.525,12.325) 22.525,11.725 ; D2.1@23.675,11.725 22.525,11.725 ; D4.1@23.675,21.975 23,21.975 22.425,21.4 ; C14.1@30.45,17.675 v1(31.031,17.675)
  other v1: 9.7,20.7
  other v2: 2.45,26.525 3.2,26.525
3.3V_A: C39.1 C40.1 C41.2 C42.2 C43.2 C44.2 C45.2 C46.2 C47.1 FB1.2 IC20.13 IC20.29 IC20.30 IC20.38 IC21.10 | length 30.7
  Top Layer w0.25: v2(9.95,40) 9.95,37.546 10.146,37.35 IC21.10@11,37.35 IC21.10@10.95,37.4 ; v2(15.7,33.05) 15.7,32.15 16.925,30.925 C40.1@18.75,30.925 C39.1@18.75,30.05 ; C43.2@21.475,38.25 C44.2@20.525,38.25 20.525,37.825 v2(20.9,37.45) 22.028,37.45 22.675,36.803 22.675,36.55 23.225,36 23.225,34.35 ; IC20.30@21.609,34.1 22.621,34.1 22.797,34.276 22.797,34.35 ; IC20.29@21.609,34.6 22.621,34.6 22.797,34.424 22.797,34.35 ; IC20.38@23.575,29.634 23.575,34 23.225,34.35 ; IC20.13@28.575,38.066 28.575,38.235 28.59,38.25 29.4,38.25 ; v2(29.25,38.875) 29.25,38.807 29.448,38.61 29.448,38.25 C41.2@30.175,38.25 C42.2@31.075,38.25 ; 22.797,34.35 23.225,34.35
  Top Layer w0.3: C46.2@9.075,40.025 9.088,40.012 9.938,40.012 v2(9.95,40) 10.75,40 C45.2@10.8,40.05 ; v2(12.75,32.45) 13.125,32.825 C47.1@13.475,32.825 FB1.2@14.625,32.825
3.8V: C49.2 C50.2 IC23.1 IC23.2 IC23.6 L1.2 R72.1 | length 8.7
  Top Layer w0.25: 4.225,22.75 IC23.2@4.225,23.775 ; IC23.6@5.725,26.625 5.725,27.075 5.956,27.306 6.264,27.306 v1(6.302,27.344)
  Bottom Layer w0.25: v1(4.8,22.175) 5.2,22.175 5.725,22.7 5.725,23.5 6.975,24.75 6.975,26.671 v1(6.302,27.344)
3.58M: IC3.3 R24.2 | length 31.5
  Top Layer w0.2: v1(33.425,22.85) 34.225,23.65 34.225,24.525 34.825,25.125 IC3.3@35.9,25.125 ; v1(51,24.7) 51,25.146 54.875,29.021 54.875,29.85 54.325,30.4 54.325,30.575 54.1,30.8 R24.2@53.925,30.8
  Power Layer w0.2: v1(33.425,22.85) 34.3,23.725 43.025,23.725 44.3,22.45 48.75,22.45 v1(51,24.7)
5MIN: IC3.38 J2.71 | length 8.6
  Top Layer w0.2: IC3.38@43.275,4.9 43.275,5.9 46.025,8.65 46.025,10.378 45.697,10.706 45.273,10.706 v1(45.225,10.754)
  Bottom Layer w0.2: v1(45.225,10.754) 45.271,10.8 J2.71@46.255,10.8
5MOUT: IC3.27 J2.68 | length 10.2
  Top Layer w0.2: IC3.27@35.9,9.525 38.925,9.525 40.5,11.1 41.85,11.1 42.426,11.676 43.126,11.676 43.451,11.35 v1(44.275,11.35)
  Bottom Layer w0.2: J2.68@43.545,11.6 43.957,11.6 44.207,11.35 v1(44.275,11.35)